# KiCad board Panel-DIY305.kicad_pcb (continued)
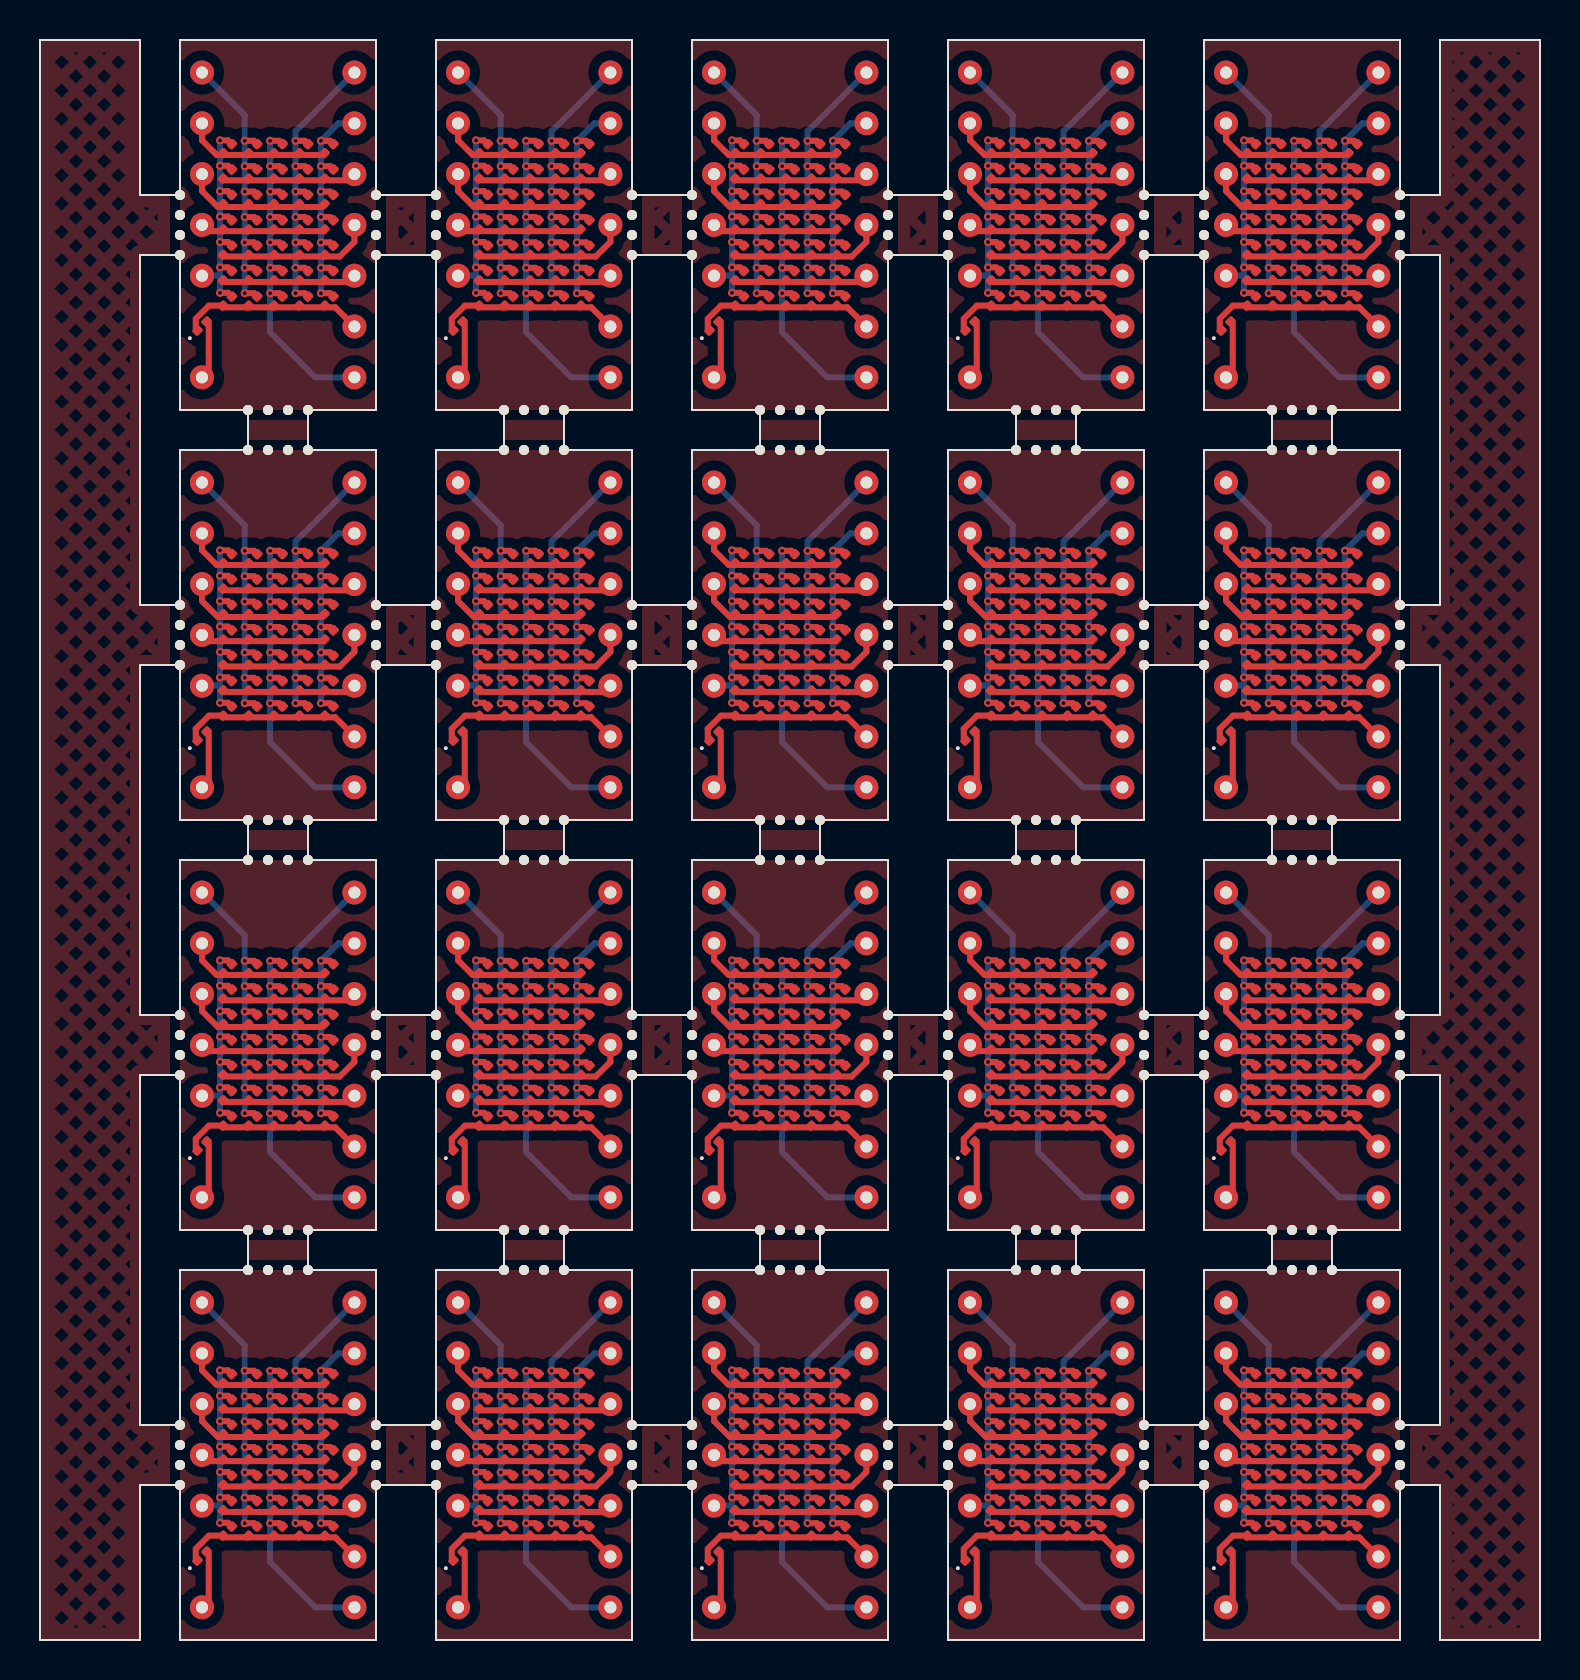
[diagram p0: board, top side]
## Placement (name value [footprint] x y rotation side) (continued)
REF**#170  -  [NPTH]  38 39 0 top
REF**#171  -  [NPTH]  25.2 39 0 top
REF**#172  -  [NPTH]  19.8 70.25 0 top
REF**#173  -  [NPTH]  55.2 51.75 0 top
REF**#174  -  [NPTH]  7 8.75 0 top
REF**#175  -  [NPTH]  25.2 61.5 0 top
REF**#176  -  [NPTH]  58.2 48.75 0 top
REF**#177  -  [NPTH]  58.2 10.75 0 top
REF**#178  -  [NPTH]  45.4 8.75 0 top
REF**#179  -  [NPTH]  29.6 8.75 0 top
REF**#180  -  [NPTH]  64.6 41 0 top
REF**#181  -  [NPTH]  42.4 48.75 0 top
REF**#182  -  [NPTH]  32.6 30.25 0 top
REF**#183  -  [NPTH]  58.2 8.75 0 top
REF**#184  -  [NPTH]  64.6 18.5 0 top
REF**#185  -  [NPTH]  7 72.25 0 top
REF**#186  -  [NPTH]  55.2 29.25 0 top
REF**#187  -  [NPTH]  12.4 20.5 0 top
REF**#188  -  [NPTH]  39 39 0 top
REF**#189  -  [NPTH]  50.8 59.5 0 top
REF**#190  -  [NPTH]  7 30.25 0 top
REF**#191  -  [NPTH]  55.2 9.75 0 top
REF**#192  -  [NPTH]  19.8 8.75 0 top
REF**#193  -  [NPTH]  10.4 18.5 0 top
REF**#194  -  [NPTH]  58.2 9.75 0 top
REF**#195  -  [NPTH]  32.6 48.75 0 top
REF**#196  -  [NPTH]  42.4 51.75 0 top
REF**#197  -  [NPTH]  55.2 7.75 0 top
REF**#198  -  [NPTH]  29.6 9.75 0 top
REF**#199  -  [NPTH]  62.6 39 0 top
REF**#200  -  [NPTH]  68 49.75 0 top
REF**#201  -  [NPTH]  48.8 59.5 0 top
REF**#202  -  [NPTH]  7 50.75 0 top
REF**#203  -  [NPTH]  58.2 28.25 0 top
REF**#204  -  [NPTH]  45.4 7.75 0 top
REF**#205  -  [NPTH]  45.4 30.25 0 top
REF**#206  -  [NPTH]  19.8 7.75 0 top
REF**#207  -  [NPTH]  7 70.25 0 top
REF**#208  -  [NPTH]  45.4 29.25 0 top
REF**#209  -  [NPTH]  24.2 59.5 0 top
REF**#210  -  [NPTH]  68 50.75 0 top
REF**#211  -  [NPTH]  10.4 39 0 top
REF**#212  -  [NPTH]  16.8 49.75 0 top
REF**#213  -  [NPTH]  7 28.25 0 top
REF**#214  -  [NPTH]  25.2 41 0 top
REF**#215  -  [NPTH]  7 7.75 0 top
REF**#216  -  [NPTH]  55.2 71.25 0 top
REF**#217  -  [NPTH]  25.2 20.5 0 top
REF**#218  -  [NPTH]  37 20.5 0 top
REF**#219  -  [NPTH]  29.6 51.75 0 top
REF**#220  -  [NPTH]  11.4 18.5 0 top
REF**#221  -  [NPTH]  23.2 41 0 top
REF**#222  -  [NPTH]  42.4 49.75 0 top
REF**#223  -  [NPTH]  36 59.5 0 top
REF**#224  -  [NPTH]  64.6 20.5 0 top
REF**#225  -  [NPTH]  23.2 20.5 0 top
REF**#226  -  [NPTH]  42.4 69.25 0 top
REF**#227  -  [NPTH]  32.6 31.25 0 top
REF**#228  -  [NPTH]  19.8 31.25 0 top
REF**#229  -  [NPTH]  32.6 71.25 0 top
REF**#230  -  [NPTH]  58.2 49.75 0 top
REF**#231  -  [NPTH]  64.6 39 0 top
REF**#232  -  [NPTH]  38 18.5 0 top
REF**#233  -  [NPTH]  36 18.5 0 top
REF**#234  -  [NPTH]  55.2 69.25 0 top
REF**#235  -  [NPTH]  38 41 0 top
REF**#236  -  [NPTH]  51.8 61.5 0 top
REF**#237  -  [NPTH]  11.4 59.5 0 top
REF**#238  -  [NPTH]  32.6 49.75 0 top
REF**#239  -  [NPTH]  42.4 7.75 0 top
REF**#240  -  [NPTH]  61.6 18.5 0 top
REF**#241  -  [NPTH]  19.8 9.75 0 top
REF**#242  -  [NPTH]  68 69.25 0 top
REF**#243  -  [NPTH]  32.6 7.75 0 top
REF**#244  -  [NPTH]  68 10.75 0 top
REF**#245  -  [NPTH]  49.8 18.5 0 top
REF**#246  -  [NPTH]  38 59.5 0 top
REF**#247  -  [NPTH]  51.8 20.5 0 top
REF**#248  -  [NPTH]  68 71.25 0 top
REF**#249  -  [NPTH]  29.6 71.25 0 top
REF**#250  -  [NPTH]  49.8 41 0 top
REF**#251  -  [NPTH]  55.2 72.25 0 top
REF**#252  -  [NPTH]  29.6 70.25 0 top
REF**#253  -  [NPTH]  61.6 59.5 0 top
REF**#254  -  [NPTH]  19.8 28.25 0 top
REF**#255  -  [NPTH]  29.6 29.25 0 top
REF**#256  -  [NPTH]  37 41 0 top
REF**#257  -  [NPTH]  62.6 18.5 0 top
REF**#258  -  [NPTH]  55.2 31.25 0 top
REF**#259  -  [NPTH]  26.2 41 0 top
REF**#260  -  [NPTH]  49.8 39 0 top
REF**#261  -  [NPTH]  50.8 20.5 0 top
REF**#262  -  [NPTH]  32.6 10.75 0 top
REF**#263  -  [NPTH]  25.2 59.5 0 top
REF**#264  -  [NPTH]  50.8 41 0 top
REF**#265  -  [NPTH]  62.6 61.5 0 top
REF**#266  -  [NPTH]  16.8 70.25 0 top
REF**#267  -  [NPTH]  39 61.5 0 top
REF**#268  -  [NPTH]  42.4 50.75 0 top
REF**#269  -  [NPTH]  51.8 41 0 top
REF**#270  -  [NPTH]  26.2 18.5 0 top
REF**#271  -  [NPTH]  58.2 31.25 0 top
REF**#272  -  [NPTH]  12.4 39 0 top
REF**#273  -  [NPTH]  32.6 28.25 0 top
REF**#274  -  [NPTH]  55.2 28.25 0 top
REF**#275  -  [NPTH]  19.8 10.75 0 top
REF**#276  -  [NPTH]  42.4 70.25 0 top
REF**#277  -  [NPTH]  23.2 39 0 top
REF**#278  -  [NPTH]  23.2 61.5 0 top
REF**#279  -  [NPTH]  58.2 50.75 0 top
REF**#280  -  [NPTH]  64.6 61.5 0 top

## Library data of the parts
D1 D1#2-D1#20 D2 D2#2-D2#20 D3 D3#2-D3#20 D4 D4#2-D4#20 D5 D5#2-D5#20 D6 D6#2-D6#20 D7 D7#2-D7#20 D8 D8#2-D8#20 D9 D9#2-D9#20 D10 D10#2-D10#20 D11 D11#2-D11#20 D12 D12#2-D12#20 D13 D13#2-D13#20 D14 D14#2-D14#20 D15 D15#2-D15#20 D16 D16#2-D16#20 D17 D17#2-D17#20 D18 D18#2-D18#20 D19 D19#2-D19#20 D20 D20#2-D20#20 D21 D21#2-D21#20 D22 D22#2-D22#20 D23 D23#2-D23#20 D24 D24#2-D24#20 D25 D25#2-D25#20 D26 D26#2-D26#20 D27 D27#2-D27#20 D28 D28#2-D28#20 D29 D29#2-D29#20 D30 D30#2-D30#20 D31 D31#2-D31#20 D32 D32#2-D32#20 D33 D33#2-D33#20 D34 D34#2-D34#20 D35 D35#2-D35#20 D36 D36#2-D36#20 = -: Description: Light emitting diode
J4 J4#2-J4#20 = -: Description: Generic connector, double row, 02x07, counter clockwise pin numbering scheme (similar to DIP package numbering), script generated (kicad-library-utils/schlib/autogen/connector/)

## Footprints (pads in the part's own frame, mm; a bottom-side part is the same pattern mirrored in y, then rotated)
DIP-14_W7.62mm
  round 1.2 hole 0.6: 1(0,0) 2(0,-2.54) 3(0,-5.08) 4(0,-7.62) 5(0,-10.16) 7(0,-15.24) 8(7.62,-15.24) 9(7.62,-12.7) 10(7.62,-10.16) 11(7.62,-7.62) 12(7.62,-5.08) 13(7.62,-2.54) 14(7.62,0)
LED_0201_0603Metric
  rrect 0.318x0.36 smd: (-0.345,0) (0.345,0)
  rrect 0.46x0.4 smd: 1(-0.32,0) 2(0.32,0)
NPTH
  round 0.5 hole 0.5 unplated: (0,0)

## Nets
Board_0-C1: D1#13.2 D2#7.2 D3#19.2 D4#7.2 D5#2.2 D6#20.2 D7#8.2 J4#15.5
Board_0-C2: D8#19.2 D9#2.2 D10#4.2 D11.2 D12#14.2 D13#2.2 D14#20.2 J4#15.1
Board_0-C3: D15#20.2 D16#15.2 D17#11.2 D18#5.2 D19#15.2 D20#2.2 D21#8.2 J4#15.8
Board_0-C4: D22#16.2 D23#9.2 D24#3.2 D25#18.2 D26#16.2 D27#19.2 D28#11.2 J4#15.14
Board_0-C5: D29#18.2 D30#14.2 D31#4.2 D32#10.2 D33#8.2 D34#19.2 D35#2.2 J4#15.13
Board_0-DP: D36#15.2 J4#15.7
Board_0-R1: D1#13.1 D8#19.1 D15#20.1 D22#16.1 D29#18.1 J4#15.2
Board_0-R2: D2#7.1 D9#2.1 D16#15.1 D23#9.1 D30#14.1 J4#15.12
Board_0-R3: D3#19.1 D10#4.1 D17#11.1 D24#3.1 D31#4.1 J4#15.3
Board_0-R4: D4#7.1 D11.1 D18#5.1 D25#18.1 D32#10.1 J4#15.4
Board_0-R5: D5#2.1 D12#14.1 D19#15.1 D26#16.1 D33#8.1 J4#15.11
Board_0-R6: D6#20.1 D13#2.1 D20#2.1 D27#19.1 D34#19.1 J4#15.10
Board_0-R7: D7#8.1 D14#20.1 D21#8.1 D28#11.1 D35#2.1 D36#15.1 J4#15.9
Board_1-C1: D1#7.2 D2#10.2 D3#10.2 D4#9.2 D5#8.2 D6#16.2 D7#11.2 J4#19.5
Board_1-C2: D8#18.2 D9#5.2 D10#3.2 D11#6.2 D12#10.2 D13#15.2 D14#15.2 J4#19.1
Board_1-C3: D15#19.2 D16#2.2 D17#6.2 D18#16.2 D19#18.2 D20#17.2 D21#7.2 J4#19.8
Board_1-C4: D22#5.2 D23#5.2 D24#12.2 D25#14.2 D26#2.2 D27#11.2 D28#13.2 J4#19.14
Board_1-C5: D29.2 D30.2 D31#16.2 D32#6.2 D33#16.2 D34#4.2 D35#6.2 J4#19.13
Board_1-DP: D36#18.2 J4#19.7
Board_1-R1: D1#7.1 D8#18.1 D15#19.1 D22#5.1 D29.1 J4#19.2
Board_1-R2: D2#10.1 D9#5.1 D16#2.1 D23#5.1 D30.1 J4#19.12
Board_1-R3: D3#10.1 D10#3.1 D17#6.1 D24#12.1 D31#16.1 J4#19.3
Board_1-R4: D4#9.1 D11#6.1 D18#16.1 D25#14.1 D32#6.1 J4#19.4
Board_1-R5: D5#8.1 D12#10.1 D19#18.1 D26#2.1 D33#16.1 J4#19.11
Board_1-R6: D6#16.1 D13#15.1 D20#17.1 D27#11.1 D34#4.1 J4#19.10
Board_1-R7: D7#11.1 D14#15.1 D21#7.1 D28#13.1 D35#6.1 D36#18.1 J4#19.9
Board_2-C1: D1#15.2 D2#3.2 D3#14.2 D4#13.2 D5#6.2 D6#9.2 D7#3.2 J4#20.5
Board_2-C2: D8#16.2 D9#7.2 D10#2.2 D11#16.2 D12#7.2 D13#7.2 D14#12.2 J4#20.1
Board_2-C3: D15#3.2 D16#7.2 D17#14.2 D18#10.2 D19#6.2 D20#3.2 D21.2 J4#20.8
Board_2-C4: D22#18.2 D23#18.2 D24#17.2 D25#13.2 D26#17.2 D27#20.2 D28#5.2 J4#20.14
Board_2-C5: D29#20.2 D30#7.2 D31#9.2 D32#15.2 D33#15.2 D34#10.2 D35#18.2 J4#20.13
Board_2-DP: D36#10.2 J4#20.7
Board_2-R1: D1#15.1 D8#16.1 D15#3.1 D22#18.1 D29#20.1 J4#20.2
Board_2-R2: D2#3.1 D9#7.1 D16#7.1 D23#18.1 D30#7.1 J4#20.12
Board_2-R3: D3#14.1 D10#2.1 D17#14.1 D24#17.1 D31#9.1 J4#20.3
Board_2-R4: D4#13.1 D11#16.1 D18#10.1 D25#13.1 D32#15.1 J4#20.4
Board_2-R5: D5#6.1 D12#7.1 D19#6.1 D26#17.1 D33#15.1 J4#20.11
Board_2-R6: D6#9.1 D13#7.1 D20#3.1 D27#20.1 D34#10.1 J4#20.10
Board_2-R7: D7#3.1 D14#12.1 D21.1 D28#5.1 D35#18.1 D36#10.1 J4#20.9
Board_3-C1: D1.2 D2#12.2 D3#12.2 D4#20.2 D5#17.2 D6#6.2 D7#20.2 J4#7.5
Board_3-C2: D8#10.2 D9#20.2 D10#15.2 D11#13.2 D12#8.2 D13#4.2 D14#4.2 J4#7.1
Board_3-C3: D15#5.2 D16#13.2 D17#7.2 D18#12.2 D19#3.2 D20#5.2 D21#10.2 J4#7.8
Board_3-C4: D22#10.2 D23#11.2 D24#18.2 D25#17.2 D26#5.2 D27#7.2 D28#15.2 J4#7.14
Board_3-C5: D29#5.2 D30#6.2 D31#7.2 D32#5.2 D33#3.2 D34#9.2 D35#4.2 J4#7.13
Board_3-DP: D36#16.2 J4#7.7
Board_3-R1: D1.1 D8#10.1 D15#5.1 D22#10.1 D29#5.1 J4#7.2
Board_3-R2: D2#12.1 D9#20.1 D16#13.1 D23#11.1 D30#6.1 J4#7.12
Board_3-R3: D3#12.1 D10#15.1 D17#7.1 D24#18.1 D31#7.1 J4#7.3
Board_3-R4: D4#20.1 D11#13.1 D18#12.1 D25#17.1 D32#5.1 J4#7.4
Board_3-R5: D5#17.1 D12#8.1 D19#3.1 D26#5.1 D33#3.1 J4#7.11
Board_3-R6: D6#6.1 D13#4.1 D20#5.1 D27#7.1 D34#9.1 J4#7.10
Board_3-R7: D7#20.1 D14#4.1 D21#10.1 D28#15.1 D35#4.1 D36#16.1 J4#7.9
Board_4-C1: D1#8.2 D2#5.2 D3#20.2 D4.2 D5#18.2 D6#10.2 D7#10.2 J4#9.5
Board_4-C2: D8#15.2 D9#3.2 D10#6.2 D11#17.2 D12#3.2 D13#18.2 D14#9.2 J4#9.1
Board_4-C3: D15#16.2 D16#10.2 D17#20.2 D18#8.2 D19#9.2 D20#12.2 D21#20.2 J4#9.8
Board_4-C4: D22#11.2 D23#8.2 D24#4.2 D25#2.2 D26#15.2 D27#17.2 D28#6.2 J4#9.14
Board_4-C5: D29#3.2 D30#15.2 D31#12.2 D32#8.2 D33#17.2 D34#14.2 D35#13.2 J4#9.13
Board_4-DP: D36#4.2 J4#9.7
Board_4-R1: D1#8.1 D8#15.1 D15#16.1 D22#11.1 D29#3.1 J4#9.2
Board_4-R2: D2#5.1 D9#3.1 D16#10.1 D23#8.1 D30#15.1 J4#9.12
Board_4-R3: D3#20.1 D10#6.1 D17#20.1 D24#4.1 D31#12.1 J4#9.3
Board_4-R4: D4.1 D11#17.1 D18#8.1 D25#2.1 D32#8.1 J4#9.4
Board_4-R5: D5#18.1 D12#3.1 D19#9.1 D26#15.1 D33#17.1 J4#9.11
Board_4-R6: D6#10.1 D13#18.1 D20#12.1 D27#17.1 D34#14.1 J4#9.10
Board_4-R7: D7#10.1 D14#9.1 D21#20.1 D28#6.1 D35#13.1 D36#4.1 J4#9.9
Board_5-C1: D1#20.2 D2#16.2 D3#15.2 D4#10.2 D5#20.2 D6#14.2 D7#5.2 J4#17.5
Board_5-C2: D8#14.2 D9#17.2 D10#7.2 D11#19.2 D12#11.2 D13#20.2 D14#3.2 J4#17.1
Board_5-C3: D15#2.2 D16#9.2 D17#2.2 D18#17.2 D19#10.2 D20#6.2 D21#11.2 J4#17.8
Board_5-C4: D22#2.2 D23#4.2 D24.2 D25#5.2 D26#4.2 D27#14.2 D28#8.2 J4#17.14
Board_5-C5: D29#2.2 D30#10.2 D31#20.2 D32#3.2 D33#12.2 D34#20.2 D35#14.2 J4#17.13
Board_5-DP: D36#11.2 J4#17.7
Board_5-R1: D1#20.1 D8#14.1 D15#2.1 D22#2.1 D29#2.1 J4#17.2
Board_5-R2: D2#16.1 D9#17.1 D16#9.1 D23#4.1 D30#10.1 J4#17.12
Board_5-R3: D3#15.1 D10#7.1 D17#2.1 D24.1 D31#20.1 J4#17.3
Board_5-R4: D4#10.1 D11#19.1 D18#17.1 D25#5.1 D32#3.1 J4#17.4
Board_5-R5: D5#20.1 D12#11.1 D19#10.1 D26#4.1 D33#12.1 J4#17.11
Board_5-R6: D6#14.1 D13#20.1 D20#6.1 D27#14.1 D34#20.1 J4#17.10
Board_5-R7: D7#5.1 D14#3.1 D21#11.1 D28#8.1 D35#14.1 D36#11.1 J4#17.9
Board_6-C1: D1#2.2 D2#14.2 D3#17.2 D4#16.2 D5#5.2 D6#2.2 D7#9.2 J4#18.5
Board_6-C2: D8#20.2 D9.2 D10#19.2 D11#3.2 D12#18.2 D13#16.2 D14.2 J4#18.1
Board_6-C3: D15#6.2 D16#19.2 D17#4.2 D18#3.2 D19#14.2 D20#18.2 D21#9.2 J4#18.8
Board_6-C4: D22#3.2 D23#17.2 D24#2.2 D25#20.2 D26#8.2 D27#6.2 D28#3.2 J4#18.14
Board_6-C5: D29#17.2 D30#8.2 D31#2.2 D32#20.2 D33#13.2 D34#6.2 D35#8.2 J4#18.13
Board_6-DP: D36#17.2 J4#18.7
Board_6-R1: D1#2.1 D8#20.1 D15#6.1 D22#3.1 D29#17.1 J4#18.2
Board_6-R2: D2#14.1 D9.1 D16#19.1 D23#17.1 D30#8.1 J4#18.12
Board_6-R3: D3#17.1 D10#19.1 D17#4.1 D24#2.1 D31#2.1 J4#18.3
Board_6-R4: D4#16.1 D11#3.1 D18#3.1 D25#20.1 D32#20.1 J4#18.4
Board_6-R5: D5#5.1 D12#18.1 D19#14.1 D26#8.1 D33#13.1 J4#18.11
Board_6-R6: D6#2.1 D13#16.1 D20#18.1 D27#6.1 D34#6.1 J4#18.10
Board_6-R7: D7#9.1 D14.1 D21#9.1 D28#3.1 D35#8.1 D36#17.1 J4#18.9
Board_7-C1: D1#14.2 D2#13.2 D3#5.2 D4#18.2 D5#15.2 D6#13.2 D7#13.2 J4#16.5
Board_7-C2: D8#3.2 D9#9.2 D10#16.2 D11#12.2 D12#17.2 D13#17.2 D14#13.2 J4#16.1
Board_7-C3: D15#13.2 D16#18.2 D17#10.2 D18#7.2 D19#17.2 D20#13.2 D21#17.2 J4#16.8
Board_7-C4: D22#13.2 D23#14.2 D24#10.2 D25#8.2 D26#9.2 D27#5.2 D28#19.2 J4#16.14
Board_7-C5: D29#10.2 D30#5.2 D31#8.2 D32#12.2 D33#7.2 D34#2.2 D35#10.2 J4#16.13
Board_7-DP: D36#12.2 J4#16.7
Board_7-R1: D1#14.1 D8#3.1 D15#13.1 D22#13.1 D29#10.1 J4#16.2
Board_7-R2: D2#13.1 D9#9.1 D16#18.1 D23#14.1 D30#5.1 J4#16.12
Board_7-R3: D3#5.1 D10#16.1 D17#10.1 D24#10.1 D31#8.1 J4#16.3
Board_7-R4: D4#18.1 D11#12.1 D18#7.1 D25#8.1 D32#12.1 J4#16.4
Board_7-R5: D5#15.1 D12#17.1 D19#17.1 D26#9.1 D33#7.1 J4#16.11
Board_7-R6: D6#13.1 D13#17.1 D20#13.1 D27#5.1 D34#2.1 J4#16.10
Board_7-R7: D7#13.1 D14#13.1 D21#17.1 D28#19.1 D35#10.1 D36#12.1 J4#16.9
Board_8-C1: D1#6.2 D2#15.2 D3#4.2 D4#11.2 D5#9.2 D6#5.2 D7#2.2 J4#8.5
Board_8-C2: D8#12.2 D9#15.2 D10#11.2 D11#7.2 D12#5.2 D13#12.2 D14#17.2 J4#8.1
Board_8-C3: D15#7.2 D16#6.2 D17#18.2 D18#18.2 D19#12.2 D20#7.2 D21#6.2 J4#8.8
Board_8-C4: D22#17.2 D23#16.2 D24#16.2 D25#10.2 D26#13.2 D27#3.2 D28#17.2 J4#8.14
Board_8-C5: D29#15.2 D30#18.2 D31#15.2 D32#4.2 D33#4.2 D34#16.2 D35#5.2 J4#8.13
Board_8-DP: D36#2.2 J4#8.7
Board_8-R1: D1#6.1 D8#12.1 D15#7.1 D22#17.1 D29#15.1 J4#8.2
Board_8-R2: D2#15.1 D9#15.1 D16#6.1 D23#16.1 D30#18.1 J4#8.12
Board_8-R3: D3#4.1 D10#11.1 D17#18.1 D24#16.1 D31#15.1 J4#8.3
Board_8-R4: D4#11.1 D11#7.1 D18#18.1 D25#10.1 D32#4.1 J4#8.4
Board_8-R5: D5#9.1 D12#5.1 D19#12.1 D26#13.1 D33#4.1 J4#8.11
Board_8-R6: D6#5.1 D13#12.1 D20#7.1 D27#3.1 D34#16.1 J4#8.10
Board_8-R7: D7#2.1 D14#17.1 D21#6.1 D28#17.1 D35#5.1 D36#2.1 J4#8.9
Board_9-C1: D1#4.2 D2#6.2 D3#6.2 D4#6.2 D5#13.2 D6#11.2 D7.2 J4#11.5
Board_9-C2: D8#7.2 D9#10.2 D10#5.2 D11#10.2 D12.2 D13#19.2 D14#18.2 J4#11.1
Board_9-C3: D15#15.2 D16#20.2 D17#13.2 D18#15.2 D19#8.2 D20#14.2 D21#5.2 J4#11.8
Board_9-C4: D22#19.2 D23#2.2 D24#20.2 D25#4.2 D26.2 D27#13.2 D28.2 J4#11.14
Board_9-C5: D29#16.2 D30#20.2 D31#14.2 D32#9.2 D33.2 D34#17.2 D35#11.2 J4#11.13
Board_9-DP: D36#13.2 J4#11.7
Board_9-R1: D1#4.1 D8#7.1 D15#15.1 D22#19.1 D29#16.1 J4#11.2
Board_9-R2: D2#6.1 D9#10.1 D16#20.1 D23#2.1 D30#20.1 J4#11.12
Board_9-R3: D3#6.1 D10#5.1 D17#13.1 D24#20.1 D31#14.1 J4#11.3
Board_9-R4: D4#6.1 D11#10.1 D18#15.1 D25#4.1 D32#9.1 J4#11.4
Board_9-R5: D5#13.1 D12.1 D19#8.1 D26.1 D33.1 J4#11.11
Board_9-R6: D6#11.1 D13#19.1 D20#14.1 D27#13.1 D34#17.1 J4#11.10
Board_9-R7: D7.1 D14#18.1 D21#5.1 D28.1 D35#11.1 D36#13.1 J4#11.9
Board_10-C1: D1#16.2 D2#18.2 D3#8.2 D4#3.2 D5#12.2 D6#12.2 D7#15.2 J4#3.5
Board_10-C2: D8#17.2 D9#19.2 D10.2 D11#9.2 D12#6.2 D13#13.2 D14#2.2 J4#3.1
Board_10-C3: D15#12.2 D16#12.2 D17#17.2 D18#19.2 D19#7.2 D20#16.2 D21#3.2 J4#3.8
Board_10-C4: D22#8.2 D23#3.2 D24#8.2 D25#6.2 D26#7.2 D27#18.2 D28#12.2 J4#3.14
Board_10-C5: D29#6.2 D30#13.2 D31#10.2 D32#2.2 D33#9.2 D34#18.2 D35#15.2 J4#3.13
Board_10-DP: D36#19.2 J4#3.7
Board_10-R1: D1#16.1 D8#17.1 D15#12.1 D22#8.1 D29#6.1 J4#3.2
Board_10-R2: D2#18.1 D9#19.1 D16#12.1 D23#3.1 D30#13.1 J4#3.12
Board_10-R3: D3#8.1 D10.1 D17#17.1 D24#8.1 D31#10.1 J4#3.3
Board_10-R4: D4#3.1 D11#9.1 D18#19.1 D25#6.1 D32#2.1 J4#3.4
Board_10-R5: D5#12.1 D12#6.1 D19#7.1 D26#7.1 D33#9.1 J4#3.11
Board_10-R6: D6#12.1 D13#13.1 D20#16.1 D27#18.1 D34#18.1 J4#3.10
Board_10-R7: D7#15.1 D14#2.1 D21#3.1 D28#12.1 D35#15.1 D36#19.1 J4#3.9
Board_11-C1: D1#12.2 D2#11.2 D3#7.2 D4#17.2 D5#11.2 D6#3.2 D7#16.2 J4#12.5
Board_11-C2: D8#9.2 D9#4.2 D10#9.2 D11#15.2 D12#9.2 D13#3.2 D14#10.2 J4#12.1
Board_11-C3: D15#10.2 D16#16.2 D17#16.2 D18#14.2 D19#4.2 D20#19.2 D21#18.2 J4#12.8
Board_11-C4: D22#7.2 D23#15.2 D24#11.2 D25#16.2 D26#19.2 D27#9.2 D28#20.2 J4#12.14
Board_11-C5: D29#9.2 D30#9.2 D31#11.2 D32#18.2 D33#5.2 D34#13.2 D35.2 J4#12.13
Board_11-DP: D36#5.2 J4#12.7
Board_11-R1: D1#12.1 D8#9.1 D15#10.1 D22#7.1 D29#9.1 J4#12.2
Board_11-R2: D2#11.1 D9#4.1 D16#16.1 D23#15.1 D30#9.1 J4#12.12
Board_11-R3: D3#7.1 D10#9.1 D17#16.1 D24#11.1 D31#11.1 J4#12.3
Board_11-R4: D4#17.1 D11#15.1 D18#14.1 D25#16.1 D32#18.1 J4#12.4
Board_11-R5: D5#11.1 D12#9.1 D19#4.1 D26#19.1 D33#5.1 J4#12.11
Board_11-R6: D6#3.1 D13#3.1 D20#19.1 D27#9.1 D34#13.1 J4#12.10
Board_11-R7: D7#16.1 D14#10.1 D21#18.1 D28#20.1 D35.1 D36#5.1 J4#12.9
Board_12-C1: D1#18.2 D2#19.2 D3.2 D4#19.2 D5#10.2 D6#7.2 D7#19.2 J4.5
Board_12-C2: D8#2.2 D9#13.2 D10#13.2 D11#14.2 D12#20.2 D13#9.2 D14#16.2 J4.1
Board_12-C3: D15#14.2 D16#5.2 D17#19.2 D18#20.2 D19#20.2 D20#20.2 D21#12.2 J4.8
Board_12-C4: D22.2 D23#13.2 D24#13.2 D25#3.2 D26#14.2 D27#8.2 D28#4.2 J4.14
Board_12-C5: D29#7.2 D30#12.2 D31#5.2 D32#19.2 D33#10.2 D34#15.2 D35#16.2 J4.13
Board_12-DP: D36#6.2 J4.7
Board_12-R1: D1#18.1 D8#2.1 D15#14.1 D22.1 D29#7.1 J4.2
Board_12-R2: D2#19.1 D9#13.1 D16#5.1 D23#13.1 D30#12.1 J4.12
Board_12-R3: D3.1 D10#13.1 D17#19.1 D24#13.1 D31#5.1 J4.3
Board_12-R4: D4#19.1 D11#14.1 D18#20.1 D25#3.1 D32#19.1 J4.4
Board_12-R5: D5#10.1 D12#20.1 D19#20.1 D26#14.1 D33#10.1 J4.11
Board_12-R6: D6#7.1 D13#9.1 D20#20.1 D27#8.1 D34#15.1 J4.10
Board_12-R7: D7#19.1 D14#16.1 D21#12.1 D28#4.1 D35#16.1 D36#6.1 J4.9
Board_13-C1: D1#19.2 D2#17.2 D3#9.2 D4#8.2 D5#7.2 D6#19.2 D7#4.2 J4#5.5
Board_13-C2: D8#5.2 D9#16.2 D10#10.2 D11#20.2 D12#13.2 D13#11.2 D14#14.2 J4#5.1
Board_13-C3: D15#4.2 D16#4.2 D17#15.2 D18#11.2 D19#2.2 D20#8.2 D21#4.2 J4#5.8
Board_13-C4: D22#15.2 D23.2 D24#5.2 D25#7.2 D26#12.2 D27#2.2 D28#16.2 J4#5.14
Board_13-C5: D29#11.2 D30#4.2 D31#3.2 D32#11.2 D33#2.2 D34#12.2 D35#20.2 J4#5.13
Board_13-DP: D36#7.2 J4#5.7
Board_13-R1: D1#19.1 D8#5.1 D15#4.1 D22#15.1 D29#11.1 J4#5.2
Board_13-R2: D2#17.1 D9#16.1 D16#4.1 D23.1 D30#4.1 J4#5.12
Board_13-R3: D3#9.1 D10#10.1 D17#15.1 D24#5.1 D31#3.1 J4#5.3
Board_13-R4: D4#8.1 D11#20.1 D18#11.1 D25#7.1 D32#11.1 J4#5.4
Board_13-R5: D5#7.1 D12#13.1 D19#2.1 D26#12.1 D33#2.1 J4#5.11
Board_13-R6: D6#19.1 D13#11.1 D20#8.1 D27#2.1 D34#12.1 J4#5.10
Board_13-R7: D7#4.1 D14#14.1 D21#4.1 D28#16.1 D35#20.1 D36#7.1 J4#5.9
Board_14-C1: D1#9.2 D2#9.2 D3#11.2 D4#12.2 D5#19.2 D6.2 D7#12.2 J4#2.5
Board_14-C2: D8#8.2 D9#12.2 D10#8.2 D11#2.2 D12#15.2 D13#10.2 D14#11.2 J4#2.1
Board_14-C3: D15#17.2 D16#3.2 D17#3.2 D18#6.2 D19#5.2 D20#10.2 D21#16.2 J4#2.8
Board_14-C4: D22#12.2 D23#7.2 D24#7.2 D25#15.2 D26#11.2 D27#10.2 D28#10.2 J4#2.14
Board_14-C5: D29#4.2 D30#3.2 D31#6.2 D32#17.2 D33#11.2 D34#7.2 D35#12.2 J4#2.13
Board_14-DP: D36#8.2 J4#2.7
Board_14-R1: D1#9.1 D8#8.1 D15#17.1 D22#12.1 D29#4.1 J4#2.2
Board_14-R2: D2#9.1 D9#12.1 D16#3.1 D23#7.1 D30#3.1 J4#2.12
Board_14-R3: D3#11.1 D10#8.1 D17#3.1 D24#7.1 D31#6.1 J4#2.3
Board_14-R4: D4#12.1 D11#2.1 D18#6.1 D25#15.1 D32#17.1 J4#2.4
Board_14-R5: D5#19.1 D12#15.1 D19#5.1 D26#11.1 D33#11.1 J4#2.11
Board_14-R6: D6.1 D13#10.1 D20#10.1 D27#10.1 D34#7.1 J4#2.10
Board_14-R7: D7#12.1 D14#11.1 D21#16.1 D28#10.1 D35#12.1 D36#8.1 J4#2.9
Board_15-C1: D1#10.2 D2#20.2 D3#3.2 D4#14.2 D5#3.2 D6#18.2 D7#17.2 J4#10.5
Board_15-C2: D8#6.2 D9#14.2 D10#18.2 D11#8.2 D12#16.2 D13#8.2 D14#5.2 J4#10.1
Board_15-C3: D15#9.2 D16#14.2 D17#9.2 D18#2.2 D19#16.2 D20#9.2 D21#15.2 J4#10.8
Board_15-C4: D22#4.2 D23#10.2 D24#19.2 D25.2 D26#18.2 D27#4.2 D28#2.2 J4#10.14
Board_15-C5: D29#12.2 D30#17.2 D31#13.2 D32#7.2 D33#19.2 D34#3.2 D35#17.2 J4#10.13
Board_15-DP: D36#3.2 J4#10.7
Board_15-R1: D1#10.1 D8#6.1 D15#9.1 D22#4.1 D29#12.1 J4#10.2
Board_15-R2: D2#20.1 D9#14.1 D16#14.1 D23#10.1 D30#17.1 J4#10.12
Board_15-R3: D3#3.1 D10#18.1 D17#9.1 D24#19.1 D31#13.1 J4#10.3
Board_15-R4: D4#14.1 D11#8.1 D18#2.1 D25.1 D32#7.1 J4#10.4
Board_15-R5: D5#3.1 D12#16.1 D19#16.1 D26#18.1 D33#19.1 J4#10.11
Board_15-R6: D6#18.1 D13#8.1 D20#9.1 D27#4.1 D34#3.1 J4#10.10
Board_15-R7: D7#17.1 D14#5.1 D21#15.1 D28#2.1 D35#17.1 D36#3.1 J4#10.9
Board_16-C1: D1#3.2 D2.2 D3#13.2 D4#2.2 D5#16.2 D6#8.2 D7#7.2 J4#4.5
Board_16-C2: D8#13.2 D9#8.2 D10#20.2 D11#11.2 D12#19.2 D13#14.2 D14#6.2 J4#4.1
Board_16-C3: D15#11.2 D16#8.2 D17#5.2 D18#9.2 D19#11.2 D20#4.2 D21#2.2 J4#4.8
Board_16-C4: D22#9.2 D23#6.2 D24#14.2 D25#12.2 D26#20.2 D27#15.2 D28#7.2 J4#4.14
Board_16-C5: D29#13.2 D30#2.2 D31#19.2 D32#16.2 D33#20.2 D34#5.2 D35#7.2 J4#4.13
Board_16-DP: D36#14.2 J4#4.7
Board_16-R1: D1#3.1 D8#13.1 D15#11.1 D22#9.1 D29#13.1 J4#4.2
Board_16-R2: D2.1 D9#8.1 D16#8.1 D23#6.1 D30#2.1 J4#4.12
Board_16-R3: D3#13.1 D10#20.1 D17#5.1 D24#14.1 D31#19.1 J4#4.3
Board_16-R4: D4#2.1 D11#11.1 D18#9.1 D25#12.1 D32#16.1 J4#4.4
Board_16-R5: D5#16.1 D12#19.1 D19#11.1 D26#20.1 D33#20.1 J4#4.11
Board_16-R6: D6#8.1 D13#14.1 D20#4.1 D27#15.1 D34#5.1 J4#4.10
Board_16-R7: D7#7.1 D14#6.1 D21#2.1 D28#7.1 D35#7.1 D36#14.1 J4#4.9
Board_17-C1: D1#17.2 D2#2.2 D3#16.2 D4#5.2 D5.2 D6#4.2 D7#6.2 J4#13.5
Board_17-C2: D8.2 D9#6.2 D10#17.2 D11#18.2 D12#12.2 D13#5.2 D14#8.2 J4#13.1
Board_17-C3: D15#18.2 D16#11.2 D17.2 D18.2 D19.2 D20#15.2 D21#13.2 J4#13.8
Board_17-C4: D22#6.2 D23#19.2 D24#15.2 D25#19.2 D26#10.2 D27.2 D28#14.2 J4#13.14
Board_17-C5: D29#19.2 D30#16.2 D31#17.2 D32#13.2 D33#6.2 D34.2 D35#19.2 J4#13.13
Board_17-DP: D36#20.2 J4#13.7
Board_17-R1: D1#17.1 D8.1 D15#18.1 D22#6.1 D29#19.1 J4#13.2
Board_17-R2: D2#2.1 D9#6.1 D16#11.1 D23#19.1 D30#16.1 J4#13.12
Board_17-R3: D3#16.1 D10#17.1 D17.1 D24#15.1 D31#17.1 J4#13.3
Board_17-R4: D4#5.1 D11#18.1 D18.1 D25#19.1 D32#13.1 J4#13.4
Board_17-R5: D5.1 D12#12.1 D19.1 D26#10.1 D33#6.1 J4#13.11
Board_17-R6: D6#4.1 D13#5.1 D20#15.1 D27.1 D34.1 J4#13.10
Board_17-R7: D7#6.1 D14#8.1 D21#13.1 D28#14.1 D35#19.1 D36#20.1 J4#13.9
Board_18-C1: D1#5.2 D2#8.2 D3#18.2 D4#15.2 D5#4.2 D6#15.2 D7#18.2 J4#6.5
Board_18-C2: D8#4.2 D9#11.2 D10#14.2 D11#5.2 D12#4.2 D13.2 D14#19.2 J4#6.1
Board_18-C3: D15.2 D16#17.2 D17#8.2 D18#4.2 D19#13.2 D20.2 D21#14.2 J4#6.8
Board_18-C4: D22#14.2 D23#12.2 D24#6.2 D25#9.2 D26#3.2 D27#12.2 D28#18.2 J4#6.14
Board_18-C5: D29#14.2 D30#11.2 D31.2 D32#14.2 D33#18.2 D34#8.2 D35#9.2 J4#6.13
Board_18-DP: D36#9.2 J4#6.7
Board_18-R1: D1#5.1 D8#4.1 D15.1 D22#14.1 D29#14.1 J4#6.2
Board_18-R2: D2#8.1 D9#11.1 D16#17.1 D23#12.1 D30#11.1 J4#6.12
Board_18-R3: D3#18.1 D10#14.1 D17#8.1 D24#6.1 D31.1 J4#6.3
Board_18-R4: D4#15.1 D11#5.1 D18#4.1 D25#9.1 D32#14.1 J4#6.4
Board_18-R5: D5#4.1 D12#4.1 D19#13.1 D26#3.1 D33#18.1 J4#6.11
Board_18-R6: D6#15.1 D13.1 D20.1 D27#12.1 D34#8.1 J4#6.10
Board_18-R7: D7#18.1 D14#19.1 D21#14.1 D28#18.1 D35#9.1 D36#9.1 J4#6.9
Board_19-C1: D1#11.2 D2#4.2 D3#2.2 D4#4.2 D5#14.2 D6#17.2 D7#14.2 J4#14.5
Board_19-C2: D8#11.2 D9#18.2 D10#12.2 D11#4.2 D12#2.2 D13#6.2 D14#7.2 J4#14.1
Board_19-C3: D15#8.2 D16.2 D17#12.2 D18#13.2 D19#19.2 D20#11.2 D21#19.2 J4#14.8
Board_19-C4: D22#20.2 D23#20.2 D24#9.2 D25#11.2 D26#6.2 D27#16.2 D28#9.2 J4#14.14
Board_19-C5: D29#8.2 D30#19.2 D31#18.2 D32.2 D33#14.2 D34#11.2 D35#3.2 J4#14.13
Board_19-DP: D36.2 J4#14.7
Board_19-R1: D1#11.1 D8#11.1 D15#8.1 D22#20.1 D29#8.1 J4#14.2
Board_19-R2: D2#4.1 D9#18.1 D16.1 D23#20.1 D30#19.1 J4#14.12
Board_19-R3: D3#2.1 D10#12.1 D17#12.1 D24#9.1 D31#18.1 J4#14.3
Board_19-R4: D4#4.1 D11#4.1 D18#13.1 D25#11.1 D32.1 J4#14.4
Board_19-R5: D5#14.1 D12#2.1 D19#19.1 D26#6.1 D33#14.1 J4#14.11
Board_19-R6: D6#17.1 D13#6.1 D20#11.1 D27#16.1 D34#11.1 J4#14.10
Board_19-R7: D7#14.1 D14#7.1 D21#19.1 D28#9.1 D35#3.1 D36.1 J4#14.9

## Via types
v1: diameter 0.4, hole 0.2, Top to Bottom, 700 vias
